# Altium PCB SVEC.pcbdoc (part 6 of 18)
Units mil, origin at the board's own origin, x right, y up, seen from the top; angles counter-clockwise.
Board outline 6349.25 x 9237.04 mil, 10 copper layers (Top Layer, L2 GND, L3, L4 PWR3.3, L5, L6, L7 GND, L8, L9 PWR, Bottom Layer), stack 58.268 mil thick; 906 components, 904 nets, 4753 pads, 3116 vias.
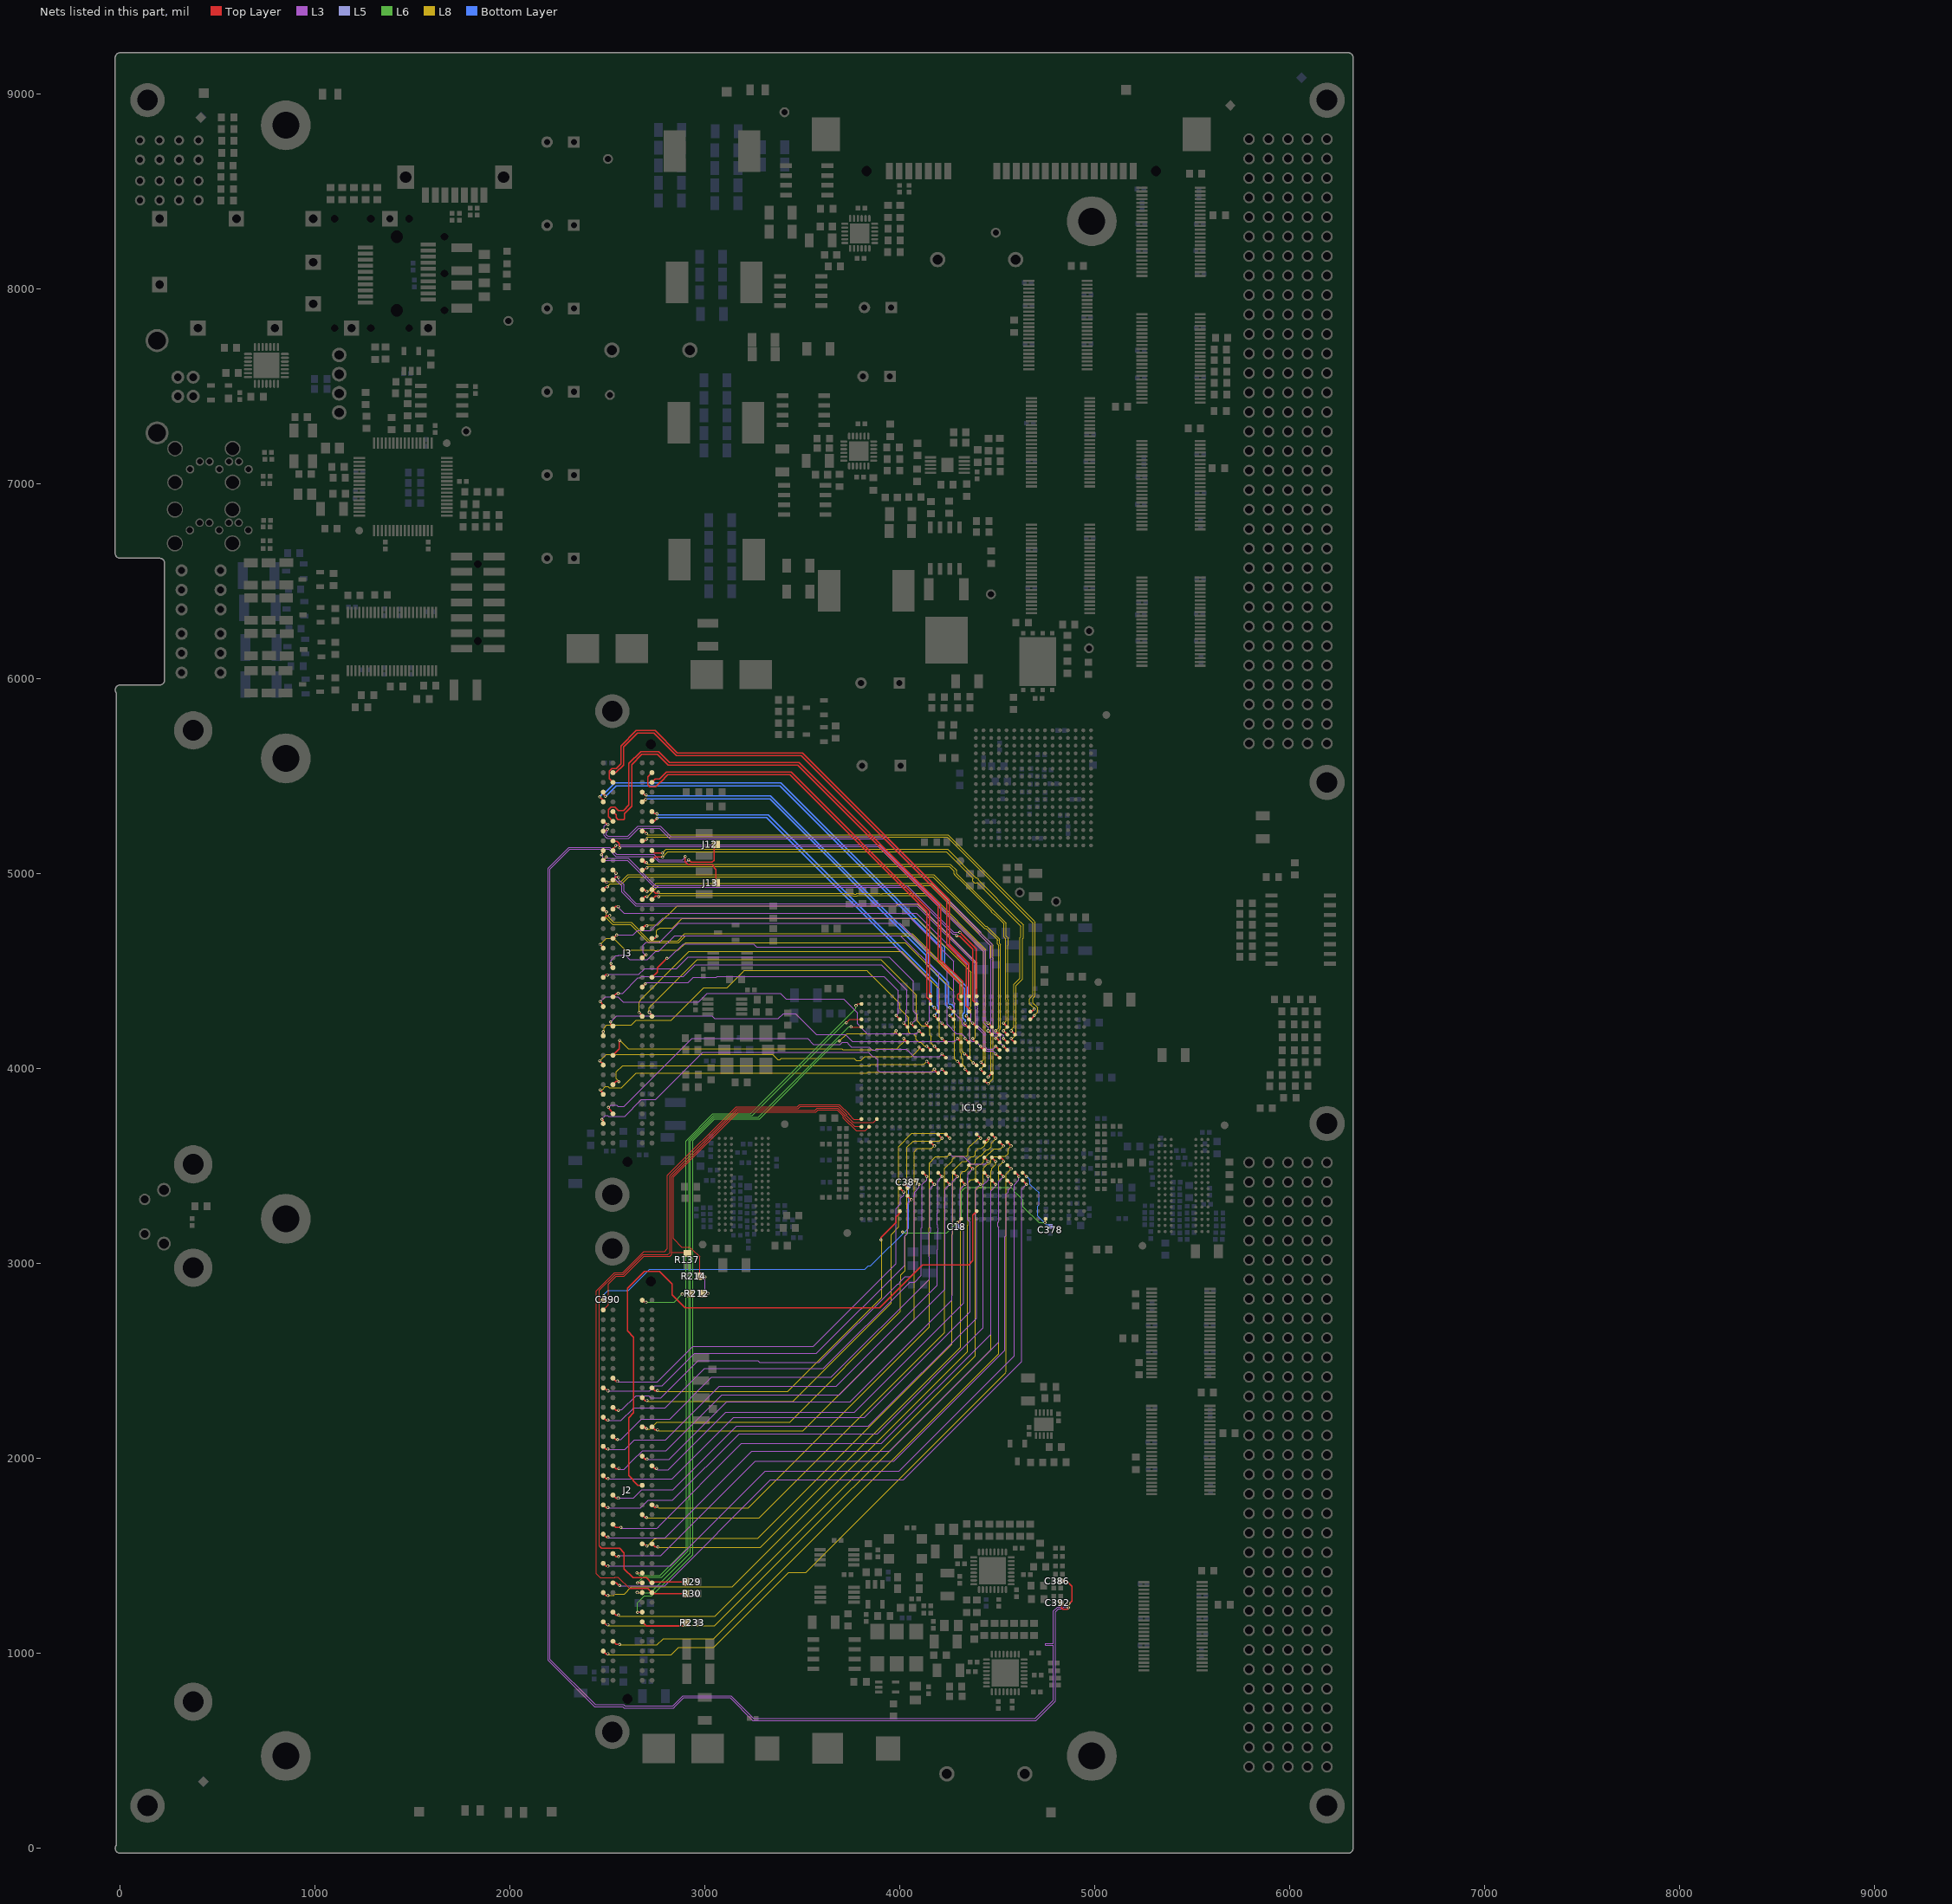
[diagram p14: the nets of this part, all layers, seen from the top]

## Via types
v1: diameter 15.75, hole 7.87, Top Layer to Bottom Layer, tented both sides, 2844 vias
v2: diameter 31.5, hole 15.75, Top Layer to Bottom Layer, tented both sides, 224 vias
v3: diameter 19.68, hole 7.87, Top Layer to Bottom Layer, tented both sides, 31 vias
v4: diameter 15.75, hole 7.87, Top Layer to Bottom Layer, 17 vias

## Nets (pads, with @x,y where several pads share a name; then routed paths per layer and width w, separated by ;. In a path a pad name is that pad's centre, name@x,y a point inside that pad or via, vN(x,y) a via of type N, cw(c..) or ccw(c..) an arc to the next point about the centre after c; other vN are vias at no path point) (continued)
FMC1_LA_P3: IC19.E25 J2.g9 | length 2124
  Top Layer w6: J2.g9@2528.05,2412.26 2543.8,2396.51 2550.06,2396.51 v1(2550.69,2397.13) ; IC19.E25@3999.54,3387.12 v1(4019.22,3367.44)
  L3 w4: v1(2550.69,2397.13) 2555.56,2392.26 2755.3,2392.26 2938.69,2575.64 3555.69,2575.64 3979.69,2999.64 3979.69,3282.92 4003.35,3306.58 4003.35,3334.64 4019.22,3350.51 v1(4019.22,3367.44)
FMC1_LA_P4: IC19.D24 J2.h10 | length 2197.4
  Top Layer w6: J2.h10@2478.05,2362.26 2484.07,2362.26 2499.82,2346.51 2500.55,2346.51 v1(2501.69,2347.64) ; IC19.D24@4037.8,3347.75 IC19.D24@4038.91,3347.75 4038.91,3345.15 4051.55,3332.51
  L3 w4: v1@2501.69,2347.13 v1@2503.56,2345.26 ; v1@2506.25,2343.26 2505.91,2342.91 v1@2503.56,2345.26 ; v1(4058.59,3328.07) 4039.69,3309.16 4039.69,3154.78 4023.69,3138.78 4023.69,2991.64 3571.69,2539.64 2946.69,2539.64 2781.38,2374.34 2762.84,2374.34 2762.76,2374.26 2743.3,2374.26 2740.05,2371 2716.3,2347.26 2510.12,2347.26 2508.12,2345.26 v1@2503.56,2345.26
FMC1_LA_P5: IC19.M19 J2.d11 | length 2643.4
  Top Layer w6: J2.d11@2678.05,2312.26 2693.8,2296.51 2699.77,2296.51 v1(2701.66,2298.39) ; IC19.M19@4235.76,3662.71 4250.96,3647.51 v1@4251.55,3647.51
  L8 w4: v1(2701.66,2298.39) 2706.53,2293.51 3451.56,2293.51 3954.69,2796.64 3954.69,3148.78 3993.73,3187.82 3993.73,3600.68 4058.69,3665.64 4060.69,3667.64 4228.69,3667.64 ; 4233.69,3662.64 4228.69,3667.64 ; v1(4255.44,3643.03) 4230.83,3667.64 4228.69,3667.64
FMC1_LA_P6: IC19.B25 J2.c10 | length 1872.7
  Top Layer w6: J2.c10@2728.05,2362.26 2743.86,2346.45 2754.88,2346.45 2756.69,2348.26 v1(2756.69,2349.13) ; v1(3902.69,3121.64) 3902.69,3133.64 3979.24,3210.19 3979.24,3238.82 3999.54,3259.12 IC19.B25@3999.54,3269.01
  L8 w4: v1(2756.69,2349.13) 2760.91,2344.91 2761.56,2344.26 3424.3,2344.26 3906.55,2826.51 3906.55,2990.5 3906.55,2999.78 3906.55,3117.77 v1(3902.69,3121.64)
FMC1_LA_P7: IC19.G22 J2.h13 | length 2496
  Top Layer w6: J2.h13@2478.05,2212.26 2493.8,2196.51 2501.06,2196.51 v1@2501.69,2197.13 ; IC19.G22@4117.65,3465.86 v1(4137.33,3446.18)
  L3 w4: v1@2501.69,2197.13 2505.56,2193.26 2506.12,2193.26 2508.12,2195.26 2570.3,2195.26 2632.69,2257.64 2634.69,2259.64 2795.69,2259.64 2997.69,2461.64 3606.93,2461.64 4050.43,2905.14 4076.05,2905.14 4109.69,2938.78 4109.69,3181.4 4113.46,3185.17 4113.46,3276.11 4112.81,3276.75 4112.81,3296.53 4113.46,3297.17 4113.46,3405.38 4137.33,3429.25 v1(4137.33,3446.18)
  other v1: 2501.69,2197.64
FMC1_LA_P8: IC19.F23 J2.g12 | length 2354.5
  Top Layer w6: J2.g12@2528.05,2262.26 2543.8,2246.51 2555.06,2246.51 v1(2555.69,2247.13) ; IC19.F23@4078.28,3426.49 v1(4097.96,3406.81)
  L3 w4: v1(2555.69,2247.13) 2559.2,2250.64 2574.69,2250.64 2646.31,2322.26 2712.32,2322.26 2722.94,2311.64 2773.69,2311.64 2963.69,2501.64 3270.8,2501.64 3279.81,2492.63 3585.68,2492.63 3988.81,2895.77 3992.43,2895.77 4000.56,2903.89 4000.56,2907.51 4027.19,2934.14 4054.19,2934.14 4074.09,2954.04 4074.09,3350.04 4074.69,3350.64 4074.69,3366.61 4097.96,3389.88 v1(4097.96,3406.81)
FMC1_LA_P9: IC19.M20 J2.d14 | length 2677.1
  Top Layer w6: v1@2694.86,2152.47 2685.07,2162.26 J2.d14@2678.05,2162.26 2692.07,2162.26 v1(2700.69,2153.64) ; IC19.M20@4196.39,3662.71 4196.39,3661.67 4209.55,3648.51
  L8 w4: v1@2700.66,2149.39 2701.91,2150.64 2717.69,2150.64 2753.69,2186.64 3434.69,2186.64 4003.26,2755.21 4003.26,2907.35 4003.69,2907.78 4003.69,2941.4 4025.69,2963.4 4025.69,3143.78 4037.43,3155.52 4037.43,3276.1 4034.72,3278.81 4034.72,3595.81 4035.43,3596.52 4068.06,3629.15 4202.2,3629.15 v1(4216.07,3643.03)
FMC1_LA_P10: IC19.L21 J2.c14 | length 2586.1
  Top Layer w6: J2.c14@2728.05,2162.26 2743.8,2146.51 2756.06,2146.51 v1(2756.69,2147.13) ; IC19.L21@4157.02,3623.34 4157.02,3623.04 4170.55,3609.51
  L8 w4: v1(2756.69,2147.13) 2761.56,2142.26 3502.3,2142.26 4072.69,2712.64 4072.69,3572.77 4089.7,3589.78 4162.83,3589.78 v1(4176.7,3603.66)
FMC1_LA_P11: IC19.G20 J2.h16 | length 2673.6
  Top Layer w6: J2.h16@2478.05,2062.26 2493.8,2046.51 2499.77,2046.51 v1(2501.66,2048.39) ; IC19.G20@4196.39,3462.67 IC19.G20@4196.39,3465.86 v1(4216.07,3446.18)
  L3 w4: v1(2501.66,2048.39) 2505.53,2044.51 2506.09,2044.51 2508.09,2046.51 2588.56,2046.51 2637.69,2095.64 2797.69,2095.64 3072.69,2370.64 3673.69,2370.64 4190.68,2887.63 4190.68,3070.39 4192.69,3072.4 4192.69,3164.02 4195.56,3166.89 4195.56,3178.39 4192.69,3181.26 4192.69,3199.58 4192.2,3200.07 4192.2,3239.44 4192.2,3259.21 4192.69,3259.7 4192.69,3422.79 v1(4216.07,3446.18)
FMC1_LA_P12: IC19.F21 J2.g15 | length 2506.4
  Top Layer w6: J2.g15@2528.05,2112.26 2543.8,2096.51 2551.06,2096.51 v1@2551.69,2097.13 ; IC19.F21@4157.02,3420.04 IC19.F21@4157.02,3426.49 v1(4176.7,3406.81)
  L3 w4: v1@2551.69,2097.13 2568.18,2097.13 2673.69,2202.64 2819.69,2202.64 3034.69,2417.64 3647.69,2417.64 4150.43,2920.38 4150.43,3034.25 4149.68,3035 4149.68,3156.7 4157.56,3164.58 4157.56,3182.7 4152.69,3187.57 4152.69,3382.79 v1(4176.7,3406.81)
  other v1: 2551.69,2097.64
FMC1_LA_P13: IC19.G18 J2.d17 | length 2601.5
  Top Layer w6: J2.d17@2678.05,2012.26 2693.8,1996.51 2702.06,1996.51 v1(2702.69,1997.13) ; IC19.G18@4275.13,3465.86 4275.13,3464.93 4288.55,3451.51
  L3 w4: v1(2702.69,1997.13) 2706.56,1993.26 2707.12,1993.26 2709.12,1995.26 2815.3,1995.26 3111.69,2291.64 3745.69,2291.64 4266.81,2812.77 4266.81,2835.53 4269.32,2838.03 4269.32,3420.68 v1(4294.81,3446.18)
FMC1_LA_P14: IC19.F17 J2.c18 | length 2621.1
  Top Layer w6: J2.c18@2728.05,1962.26 2743.8,1946.51 2751.06,1946.51 2751.69,1947.13 v1(2751.69,1949.64) ; IC19.F17@4314.5,3426.49 4314.57,3426.49 4334.18,3406.88 v1(4334.18,3406.81)
  L3 w4: v1(2751.69,1949.64) 2751.69,1947.13 2755.56,1943.26 2810.48,1943.26 3105.86,2238.64 3767.86,2238.64 4327.69,2798.47 4327.69,3183.81 4309.69,3201.81 4309.69,3382.31 v1(4334.18,3406.81)
FMC1_LA_P15: IC19.H16 J2.h19 | length 3023.8
  Top Layer w6: J2.h19@2478.05,1912.26 2493.8,1896.51 2502.06,1896.51 v1(2502.69,1897.13) ; IC19.H16@4353.87,3505.23 v1(4373.55,3485.55)
  L3 w4: v1(2502.69,1897.13) 2506.18,1893.64 2507.51,1893.64 2509.51,1895.64 2831.69,1895.64 3146.69,2210.64 3818.69,2210.64 4360.69,2752.64 4360.69,3212.64 4347.69,3225.64 4347.69,3361.32 4348.06,3361.69 4348.06,3412.55 4347.69,3412.92 4347.69,3440.06 4348.06,3440.43 4348.06,3460.05 v1(4373.55,3485.55)
FMC1_LA_P16: IC19.F19 J2.g18 | length 2676.3
  Top Layer w6: J2.g18@2528.05,1962.26 2543.8,1946.51 2559.06,1946.51 2559.69,1947.13 2558.69,1948.13 v1(2558.69,1949.64) ; IC19.F19@4235.76,3426.49 v1(4255.44,3406.81)
  L3 w4: v1(2558.69,1949.64) 2558.69,1948.13 2562.49,1944.33 2563.42,1945.26 2584.99,1945.26 2627.69,1987.95 2680.37,2040.64 2800.86,2040.64 3086.86,2326.64 3689.86,2326.64 4231.69,2868.47 4231.69,3278.69 4231.57,3278.81 4231.57,3382.93 v1(4255.44,3406.81)
FMC1_LA_P17: IC19.B15 J2.d20 | length 3355.4
  Top Layer w6: J2.d20@2678.05,1862.26 2656.06,1862.26 2630.68,1887.64 2630.68,1890.84 2608.69,1912.83 2608.69,2208.64 2634.69,2234.64 2634.69,2621.84 2601.69,2654.84 2601.69,2872.44 2605.69,2876.44 2688.89,2959.64 2766.49,2959.64 2831.69,2894.44 2831.69,2840.64 2898.89,2773.44 3895.37,2773.44 4115.35,2993.42 4352.47,2993.42 4373.56,3014.51 4373.56,3249.33 IC19.B15@4393.24,3269.01
FMC1_LA_P18: IC19.J14 J2.c22 | length 3045.7
  Top Layer w6: J2.c22@2728.05,1762.26 2743.8,1746.51 2752.69,1755.39 v1(2752.69,1755.64) ; IC19.J14@4432.61,3544.6 4451.55,3525.66 v1@4451.55,3524.51
  L3 w4: v4@4254,3564.29 v4(4256,3562.29) 4268.29,3550 4324.14,3550 4364.14,3510 4437.38,3510 v1(4452.29,3524.92)
  L6 w4: v1@4452.29,3522.03 v1(4452.29,3524.92)
  L8 w4: v1(2752.69,1755.64) 2761.82,1746.51 3221.56,1746.51 4151.21,2676.16 4151.21,3161.09 4149.68,3162.62 4149.68,3182.39 4151.21,3183.92 4151.21,3325.54 4151.43,3325.76 4151.43,3337.25 4151.21,3337.47 4151.21,3516.3 4182.91,3548 4241.71,3548 v4(4256,3562.29)
FMC1_LA_P19: IC19.G14 J2.h22 | length 3153.4
  Top Layer w6: J2.h22@2478.05,1762.26 2493.8,1746.51 2499.77,1746.51 v1(2501.66,1748.39) ; IC19.G14@4432.61,3465.86 4451.55,3446.92 v1@4451.55,3446.51
  L3 w4: v1(2501.66,1748.39) 2504.21,1745.83 2507.4,1745.83 2508.82,1747.24 2670.29,1747.24 2708.69,1785.64 2832.69,1785.64 3174.69,2127.64 3883.69,2127.64 4427.69,2671.64 4427.69,3404.65 4452.29,3429.25 v1(4452.29,3446.18)
FMC1_LA_P20: IC19.F15 J2.g21 | length 2981.5
  Top Layer w6: J2.g21@2528.05,1812.26 2543.8,1796.51 2554.06,1796.51 v1(2554.69,1797.13) ; IC19.F15@4393.24,3426.49 v1@4412.39,3407.34
  L3 w4: v1(2554.69,1797.13) 2556.18,1795.64 2561.51,1795.64 2562.92,1797.05 2632.69,1797.05 2676.27,1840.64 2836.69,1840.64 3161.69,2165.64 3838.69,2165.64 4393.69,2720.64 4393.69,3226.64 4388.69,3231.64 4388.69,3357.34 4389.69,3358.34 4389.69,3383.57 v1(4412.92,3406.81)
FMC1_LA_P21: IC19.G12 J2.h25 | length 3345.2
  Top Layer w6: J2.h25@2478.05,1612.26 2493.8,1596.51 2502.06,1596.51 v1(2502.69,1597.13) ; IC19.G12@4511.35,3465.86 4512.01,3465.86 v1@4531.37,3446.51
  L3 w4: v1(2502.69,1597.13) 2507.56,1592.26 2794.96,1592.26 3239.34,2036.64 3946.69,2036.64 4506.69,2596.64 4506.69,3186.88 4501.81,3191.75 4501.81,3211.53 4506.69,3216.4 4506.69,3421.83 v1(4531.03,3446.18)
FMC1_LA_P22: IC19.F13 J2.g24 | length 3167.4
  Top Layer w6: J2.g24@2528.05,1662.26 2543.18,1647.13 v1(2568.69,1647.13) ; IC19.F13@4471.98,3426.49 v1(4491.66,3406.81)
  L3 w4: v1(2568.69,1647.13) 2572.91,1642.91 2573.56,1642.26 2742.18,1642.26 2742.81,1641.63 2754.3,1641.63 2762.43,1649.76 2762.43,1651.37 3187.7,2076.64 3904.69,2076.64 4465.81,2637.77 4465.81,3149.53 4467.79,3151.51 4467.79,3372.74 4491.66,3396.62 v1(4491.66,3406.81)
FMC1_LA_P23: IC19.M15 J2.d23 | length 3088.1
  Top Layer w6: J2.d23@2678.05,1712.26 2693.8,1696.51 2700.06,1696.51 v1@2700.69,1697.13 ; IC19.M15@4393.24,3662.71 4394.35,3662.71 v1@4408.55,3648.51
  L8 w4: v1@2700.69,1697.13 2704.56,1693.26 2705.12,1693.26 2707.12,1695.26 3278.3,1695.26 4229.95,2646.9 4229.95,3488.33 4268.87,3527.25 4268.87,3534.29 4285,3550.41 4339.83,3550.41 4348.06,3558.64 4348.06,3591.15 4363.16,3606.25 4365.51,3606.25 4402.29,3643.03 v1(4412.92,3643.03)
  other v1: 2700.69,1697.64
FMC1_LA_P24: IC19.G10 J2.h28 | length 3524.5
  Top Layer w6: J2.h28@2478.05,1462.26 2493.8,1446.51 2499.77,1446.51 v1(2501.66,1448.39) ; IC19.G10@4590.09,3465.86 4593.2,3465.86 4611.33,3447.73 v1@4611.55,3447.51
  L3 w4: v1(2501.66,1448.39) 2503.53,1446.51 2508.09,1446.51 2510.09,1448.51 2821.56,1448.51 3308.69,1935.64 3995.69,1935.64 4585.69,2525.64 4585.69,3405.17 4609.77,3429.25 v1(4609.77,3446.18)
  L8 w4: v1@4610,3445.95 v1@4611.55,3447.51
FMC1_LA_P25: IC19.F11 J2.g27 | length 3347.3
  Top Layer w6: J2.g27@2528.05,1512.26 2543.8,1496.51 2555.06,1496.51 v1(2555.69,1497.13) ; IC19.F11@4550.72,3426.49 4552.57,3426.49 4567.55,3411.51 v1@4571.55,3411.51
  L3 w4: v1(2555.69,1497.13) 2560.2,1501.64 2773.69,1501.64 3255.69,1983.64 3257.69,1985.64 3968.83,1985.64 4537.69,2554.5 4537.69,3136.78 4544.56,3143.66 4544.56,3356.66 4554.53,3366.62 4554.53,3374.01 4554.81,3374.29 4554.81,3377.22 4570.4,3392.81 v1(4570.4,3406.81)
FMC1_LA_P26: IC19.L14 J2.d26 | length 3224
  Top Layer w6: J2.d26@2678.05,1562.26 2687.85,1562.26 2701.69,1548.42 v1(2701.69,1550.64) ; IC19.L14@4432.61,3623.34 4452.29,3643.03 v1(4455.3,3643.03)
  L8 w4: v1(2701.69,1550.64) 2701.69,1548.42 2741.91,1588.64 2748.55,1588.64 2750.55,1590.64 3270.69,1590.64 4266.69,2586.64 4266.69,3149.64 4270.94,3153.89 4270.94,3476.03 4319.55,3524.64 4339.52,3524.64 4363.67,3548.79 4377.58,3548.79 4387.43,3558.64 4387.43,3575.38 4401.83,3589.78 4418.67,3589.78 4435.81,3606.92 4435.81,3611.22 4455.3,3630.7 v1(4455.3,3643.03)
FMC1_LA_P27: IC19.M13 J2.c26 | length 3220.1
  Top Layer w6: J2.c26@2728.05,1562.26 2743.8,1546.51 v1@2758.06,1546.51 ; v1(2758.69,1547.13) v1@2758.06,1546.51 ; v1@2763.36,1546.51 v1@2758.06,1546.51 ; IC19.M13@4471.98,3662.71 v1(4491.66,3643.03)
  L8 w4: v1(2758.69,1547.13) 2762.56,1543.26 2763.12,1543.26 2765.12,1545.26 3284.3,1545.26 4310.69,2571.64 4310.69,3357.17 4310.31,3357.55 4310.31,3377.32 4310.69,3377.7 4310.69,3396.54 4310.31,3396.92 4310.31,3416.69 4310.69,3417.07 4310.69,3435.91 4310.31,3436.29 4310.31,3460.4 4322.49,3472.58 4333.25,3472.58 4349,3488.33 4349,3494.75 4365.29,3511.04 4379.3,3511.04 4387.43,3519.17 4387.43,3533.18 4407.89,3553.64 4414.55,3553.64 4445.55,3584.64 4452.8,3584.64 4468.69,3600.53 4468.69,3616.64 4491.66,3639.62 v1(4491.66,3643.03)
FMC1_LA_P28: IC19.L12 J2.h31 | length 3591.8
  Top Layer w6: J2.h31@2478.05,1312.26 2493.8,1296.51 2501.06,1296.51 v1@2501.69,1297.13 ; IC19.L12@4511.35,3623.34 v1(4531.03,3603.66)
  L8 w4: v1(2501.69,1297.64) 2532.69,1297.64 2536.69,1301.64 2539.62,1304.57 2586.47,1304.57 2623.55,1341.64 3140.69,1341.64 4347.69,2548.64 4347.69,3196.89 4348.06,3197.26 4348.06,3415.07 4363.67,3430.68 4380.69,3430.68 4389.05,3439.04 4389.05,3492.76 4405.93,3509.64 4416.29,3509.64 4417.69,3511.04 4418.67,3511.04 4426.8,3519.17 4426.8,3519.27 4428.42,3520.89 4428.42,3537.37 4457.69,3566.64 4460.26,3566.64 4465.4,3571.78 4482.59,3588.97 4483.02,3588.97 ; 4482.69,3588.64 4483.02,3588.97 ; v1(4531.03,3603.66) 4516.35,3588.97 4483.02,3588.97
FMC1_LA_P29: IC19.F9 J2.g30 | length 3528.6
  Top Layer w6: J2.g30@2528.05,1362.26 2544.55,1362.26 2557.68,1349.13 v1(2561.69,1349.13) ; IC19.F9@4629.46,3426.49 v1(4649.14,3406.81) v1@4649.44,3406.51
  L3 w4: v1(2561.69,1349.13) 2565.56,1345.26 2566.12,1345.26 2568.12,1347.26 2793.3,1347.26 3336.69,1890.64 4017.69,1890.64 4623.69,2496.64 4623.69,3381.35 v1(4649.14,3406.81)
FMC1_LA_P30: IC19.J13 J2.h34 | length 3591.1
  Top Layer w6: J2.h34@2478.05,1162.26 2493.8,1146.51 2501.06,1146.51 v1@2501.69,1147.13 ; IC19.J13@4471.98,3544.6 v1(4491.66,3524.92)
  L8 w4: v1@2501.69,1147.13 2505.91,1142.91 2506.56,1142.26 3049.48,1142.26 4465.69,2558.47 4465.69,3149.4 4466.69,3150.4 4466.69,3475.02 4471.56,3479.89 4471.56,3488.51 ; 4473.69,3490.64 4471.56,3488.51 ; v1(4491.66,3524.92) 4491.66,3509.62 4471.56,3489.51 4471.56,3488.51
  other v1: 2501.69,1147.64
FMC1_LA_P31: IC19.L11 J2.g33 | length 3651.2
  Top Layer w6: J2.g33@2528.05,1212.26 2543.8,1196.51 2555.06,1196.51 v1(2555.69,1197.13) ; IC19.L11@4550.72,3623.34 v1(4570.4,3603.66)
  L8 w4: v1(2555.69,1197.13) 2560.56,1192.26 3052.3,1192.26 4387.43,2527.38 4387.43,3375.7 4403.04,3391.31 4418.36,3391.31 4426.8,3399.75 4426.8,3477.13 4429.56,3479.89 4429.56,3491.28 4449.33,3511.04 4458.04,3511.04 4466.17,3519.17 4466.17,3533.18 4479,3546.01 4481.78,3548.79 4501.55,3548.79 4504.33,3546.01 4508.85,3550.54 4525.16,3550.54 4525.29,3550.41 4540.78,3550.41 4554.53,3564.16 4554.53,3587.78 v1(4570.4,3603.66)
FMC1_LA_P32: IC19.H11 J2.h37 | length 3757
  Top Layer w6: J2.h37@2478.05,1012.26 2493.8,996.51 2499.77,996.51 v1(2501.66,998.39) ; IC19.H11@4550.72,3505.23 v1(4570.4,3485.55)
  L8 w4: v1(2501.66,998.39) 2506.53,993.51 2826.51,993.51 2864.64,1031.64 3043.69,1031.64 3428.69,1416.64 3517.69,1416.64 4532.67,2431.63 4532.67,2431.77 4541.62,2440.71 4544.91,2444 4544.91,3460.05 v1(4570.4,3485.55)
FMC1_LA_P33: IC19.J12 J2.g36 | length 3631.3
  Top Layer w6: J2.g36@2528.05,1062.26 2543.8,1046.51 2561.06,1046.51 v1(2561.69,1047.13) ; IC19.J12@4511.35,3544.6 4517.46,3544.6 v1@4531.55,3530.51
  L8 w4: v1(2561.69,1047.13) 2563.93,1044.88 2754.55,1044.88 2786.3,1076.64 3045.69,1076.64 4505.69,2536.64 4505.69,3187.88 4501.81,3191.75 4501.81,3211.53 4505.69,3215.4 4505.69,3499.57 v1(4531.03,3524.92)
FMC1_PG_C2M: IC19.N29 R212.1 R214.1 | length 1965.7
  Top Layer w5: R212.1@2977.05,2848.51 R212.1@2999.55,2848.51 ; R212.1@2990.05,2845.51 v1@3016.55,2845.51 ; v1(3000.55,2930.51) 2978.05,2930.51 R214.1@2973.05,2935.51 2973.05,3035.1 2931.93,3076.22 2929.84,3076.22 2921.55,3084.51 2880.82,3084.51 2837.18,3128.15 2837.18,3443.46 3171.23,3777.51 3568.23,3777.51 3579.6,3788.88 3677.51,3788.88 3709.93,3756.46 3709.93,3747.4 3775.83,3681.51 3821.48,3681.51 IC19.N29@3842.06,3702.08
  L3 w5: v1(3000.55,2930.51) 3000.55,2862.77 3016.69,2846.64 v1(3016.69,2845.64)
FMC1_PGC2M: J2.d1 R212.2 | length 271.7
  Top Layer w5: J2.d1@2678.05,2812.26 2688.8,2801.51 v1(2697.55,2801.51) ; v1(2883.55,2843.51) 2884.55,2844.51 2926.06,2844.51 R212.2@2927.06,2845.51
  L6 w5: v1(2697.55,2801.51) 2841.55,2801.51 v1(2883.55,2843.51)
FMC1_PRSNTM2C_N: IC19.N30 J2.h2 R137.1 | length 2189.9
  Top Layer w5: J2.h2@2478.05,2762.26 2503.69,2787.89 2503.69,2895.64 2543.84,2935.79 2584.6,2935.79 2686.45,3037.64 2819.55,3037.64 2828.18,3046.27 ; R137.1@2909.55,3052 2904.92,3056.64 2828.69,3056.64 2828.18,3056.13 2828.18,3046.27 ; IC19.N30@3802.69,3702.08 3801.26,3703.51 3766.55,3703.51 3718.93,3751.13 3718.93,3760.19 3681.24,3797.88 3575.87,3797.88 3564.5,3786.51 3167.5,3786.51 2828.18,3447.19 2828.18,3046.27
FMC1_SCL: IC19.P28 J2.c30 R29.2 | length 3972.7
  Top Layer w5: 2459.55,1549.51 2458.96,1550.1 2458.96,2863.64 2540.11,2944.79 2580.88,2944.79 2682.73,3046.64 2809.69,3046.64 2819.18,3056.13 2819.18,3450.92 3163.77,3795.51 3477.64,3795.51 3489.01,3806.88 3684.96,3806.88 3727.93,3763.92 3727.93,3758.13 3760.95,3725.11 3865.09,3725.11 IC19.P28@3881.43,3741.45
  Top Layer w6: 2459.55,1549.51 2468.55,1540.51 2561.55,1540.51 2585.55,1516.51 2585.55,1433.51 2630.55,1388.51 2699.55,1388.51 2725.8,1362.26 J2.c30@2728.05,1362.26 2733.3,1367.51 R29.2@2901.06,1367.51
FMC1_SDA: IC19.P30 J2.c31 R30.2 | length 3960.8
  Top Layer w5: 2612.55,1332.51 2554.55,1390.51 2538.97,1390.51 2537.62,1389.16 2461.9,1389.16 2443.18,1407.88 2443.18,2860.59 2536.38,2953.79 2577.15,2953.79 2686,3062.64 2792.69,3062.64 2807.87,3077.82 2807.87,3452.33 3160.04,3804.51 3473.91,3804.51 3485.29,3815.88 3688.69,3815.88 3736.93,3767.64 3736.93,3766.13 3762.55,3740.51 3801.74,3740.51 IC19.P30@3802.69,3741.45
  Top Layer w6: 2612.55,1332.51 2707.8,1332.51 J2.c31@2728.05,1312.26 2733.8,1306.51 R30.2@2901.06,1306.51
FMC1_TCK: IC19.AJ30 J2.d29 | length 3638.6
  Top Layer w5: v1(2650.55,1413.51) 2676.8,1413.51 J2.d29@2678.05,1412.26 ; v1(3774.55,4323.51) 3783.05,4332 IC19.AJ30@3802.69,4332
  L6 w5: v1(2650.55,1413.51) 2663.93,1400.13 2768.18,1400.13 2904.06,1536.01 2904.06,2396.46 2901.55,2398.97 2901.55,3628.84 3040.72,3768.01 3234.38,3768.01 3713.93,4247.55 3713.93,4247.88 3774.55,4308.51 v1(3774.55,4323.51)
FMC1_TDI: IC19.AG30 J2.d30 | length 3603.3
  Top Layer w5: v1(3725.55,4235.51) 3743.31,4253.26 IC19.AG30@3802.69,4253.26
  Top Layer w6: v1(2653.55,1361.51) 2654.3,1362.26 J2.d30@2678.05,1362.26
  L6 w4: v1(2653.55,1361.51) 2683.55,1391.51 2778.55,1391.51 2913.55,1526.51 2913.55,1786.51 2917.55,1790.51 2917.55,3632.82 3044.24,3759.51 3242.55,3759.51 3718.55,4235.51 v1(3725.55,4235.51)
FMC1_TDO: IC19.AF30 J2.d31 | length 3618.6
  Top Layer w5: v1(2652.55,1312.51) 2652.8,1312.26 J2.d31@2678.05,1312.26 ; v1(3748.55,4214.51) 3749.17,4213.89 IC19.AF30@3802.69,4213.89
  L6 w4: v1(2652.55,1312.51) 2651.55,1311.51 2720.55,1311.51 2925.55,1516.51 2925.55,3629.51 3046.55,3750.51 3274.55,3750.51 3738.55,4214.51 v1(3748.55,4214.51)
FMC1_TMS: IC19.AE25 J2.d33 | length 3887.8
  Top Layer w5: v1@3976.55,4190.51 3976.55,4188.85 3990.88,4174.52 IC19.AE25@3999.54,4174.52
  Top Layer w6: v1@2655.3,1212.26 J2.d33@2678.05,1212.26
  L6 w4: v1(2654.55,1211.51) 2654.55,1260.51 2689.55,1295.51 2726.55,1295.51 2938.55,1507.51 2938.55,3631.13 3049.93,3742.51 3279.55,3742.51 3678.55,4141.51 v1(3689.55,4141.51)
  L8 w4: v1(3689.55,4141.51) 3728.38,4180.33 3965.98,4180.33 v1(3979.85,4194.21)
  Bottom Layer w5: v1(3689.55,4141.51) v1@3690.55,4141.51
FMC1_TRST_L: J2.d34 R233.1 | length 241.1
  Top Layer w8: J2.d34@2678.05,1162.26 2698.65,1141.66 2888.21,1141.66 R233.1@2904.06,1157.51
FMC1_VREFAM2C: C18.2 C378.1 C387.2 C390.2 IC19.A6 IC19.A17 IC19.E24 IC19.G9 J2.h1 | length 3458.8
  Top Layer w5: J2.h1@2478.05,2812.26 2479.55,2813.76 v1(2479.55,2835.51) ; v1(4019.22,3406.81) IC19.E24@4038.91,3387.12 ; v1@4298.55,3215.51 4300.36,3215.51 IC19.A17@4314.5,3229.64 ; IC19.G9@4629.46,3465.86 v1(4649.14,3446.18) 4649.48,3446.51 v1@4651.55,3446.51 ; v1@4743.55,3205.51 4745.55,3205.51 4747.57,3207.52 IC19.A6@4747.57,3229.64
  L6 w5: v1(4013.69,3161.64) 4014.55,3162.51 4018.55,3162.51 4022.93,3158.13 4241.18,3158.13 v1@4298.55,3215.51 ; v1(4294.81,3209.95) 4314.69,3229.83 4314.69,3371.64 4334.69,3391.64 4570.02,3391.64 4585.06,3376.59 4585.06,3371.82 4603.82,3353.06 4605.27,3353.06 4631.69,3326.64 4631.69,3290.64 4712.37,3209.95 v1(4743.55,3209.95)